# Altium PCB MainPCB_XBeeSXPro_Breakout.PcbDoc (part 2 of 2)
Units mil, origin at the board's own origin, x right, y up, seen from the top; angles counter-clockwise.
Board outline 3100 x 3100 mil, 4 copper layers (Top Layer, Layer 1, Layer 2, Bottom Layer), stack 62.449 mil thick; 102 components, 73 nets, 348 pads, 287 vias.
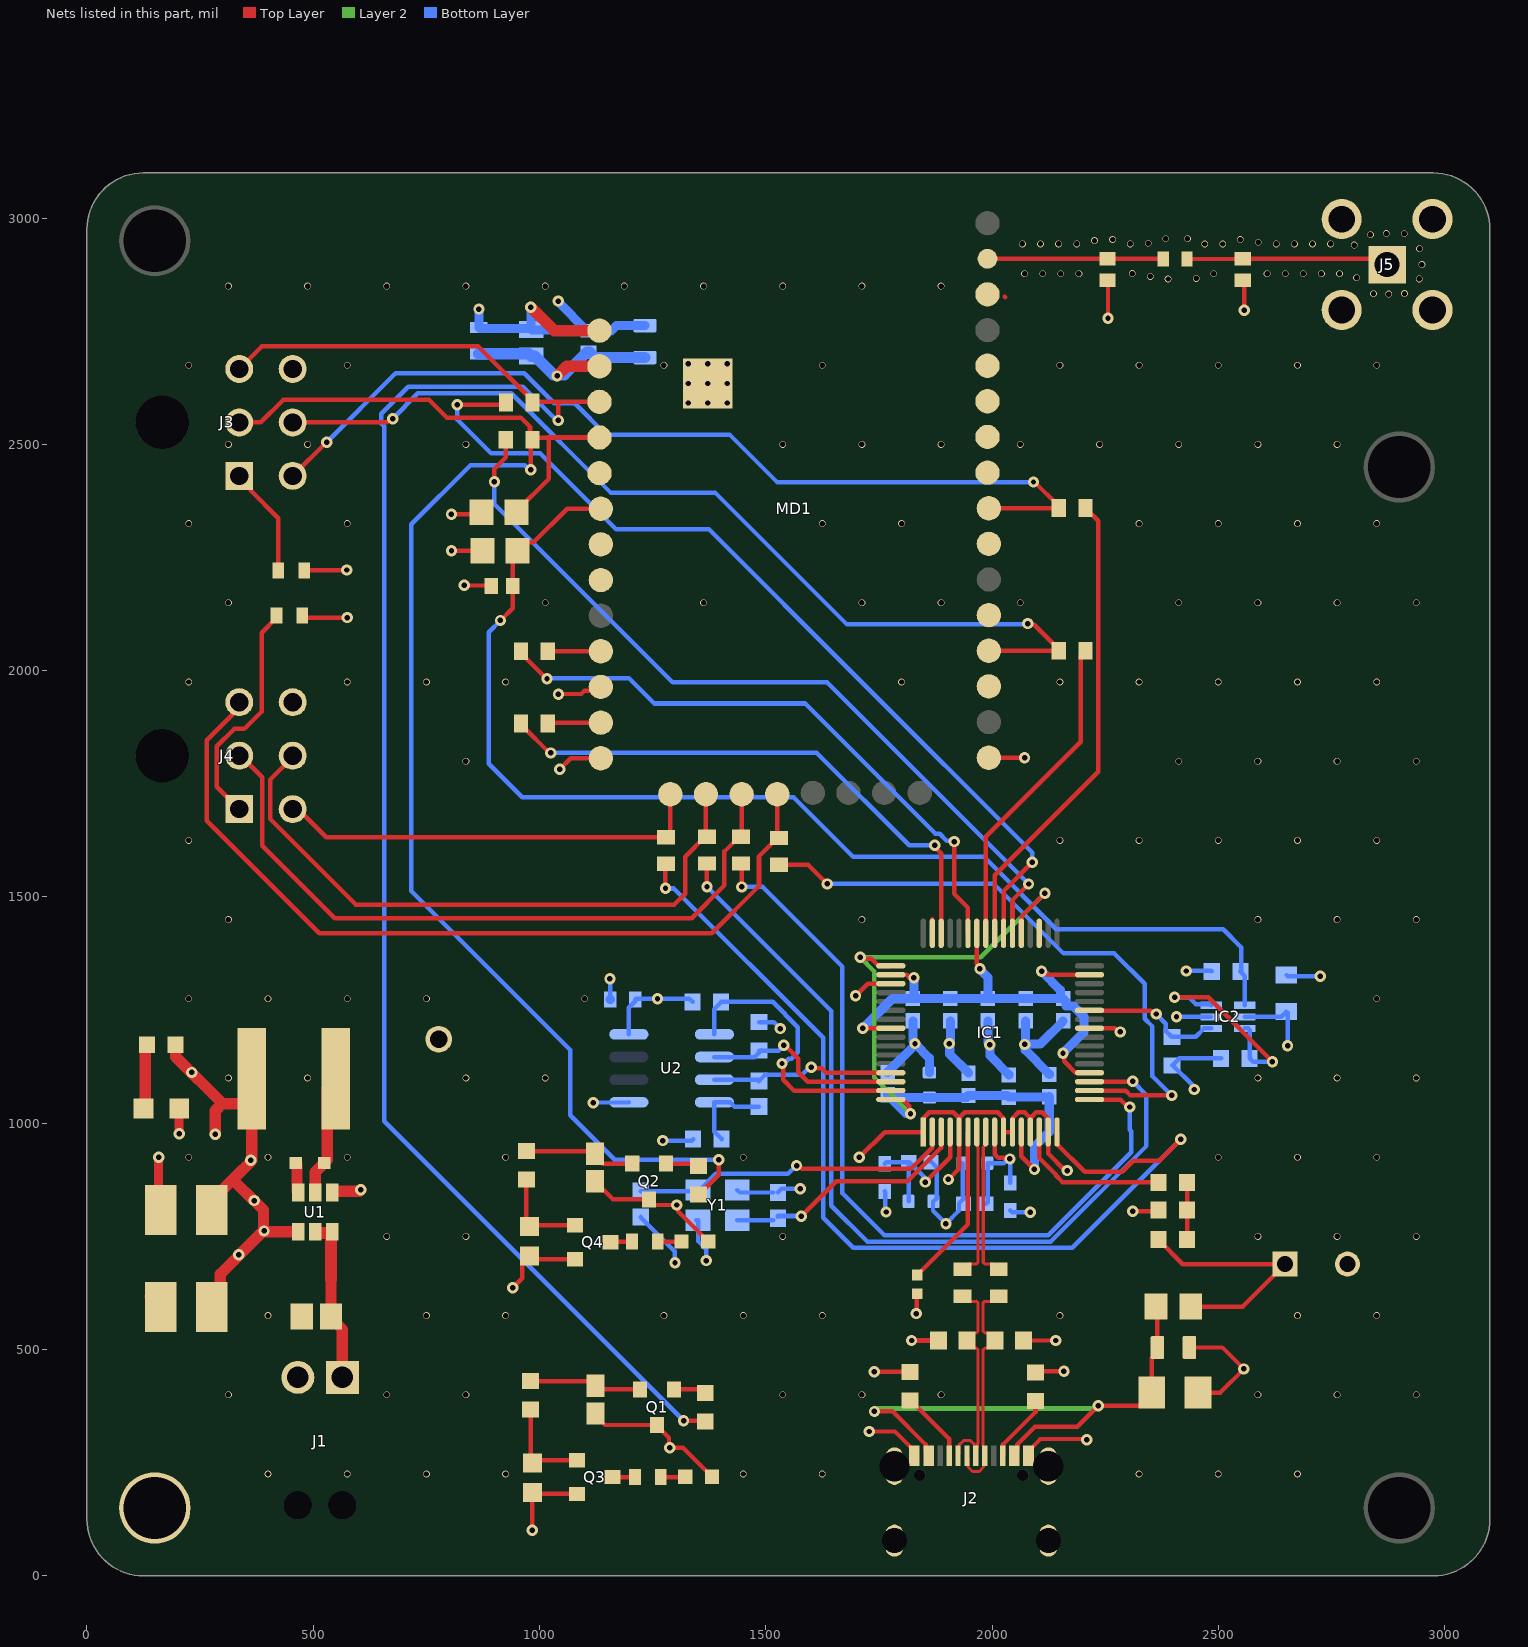
[diagram p4: the nets of this part, all layers, seen from the top]

## Part data (continued)
R17 R18 R22 R23 R24 R25 R26 R27 R28 R29: library part CMP-009-00006-5, "Chip Resistor, 0 Ohm, 0.1 W, -55 to 155 degC, 0603 (1608 Metric)", Case/Package=0603, Max Operating Temperature=155°C, Min Operating Temperature=-55°C, Power=100mW, Tolerance=5%, Voltage Rating=50V, Mounting Technology=SM, Pins=2, RoHS Compliant=True
R35 R37: library part CMP-2000-00700-2, "RES SMD 0 OHM JUMPER 1/10W 0603", Manufacturer=Panasonic, Manufacturer Part Number=ERJ-3GEY0R00V, Package=0603, Power Rating=0.1W, Resistance=0Ω, Temperature="-55°C to +155°C", Temperature Coefficient=-100/+600ppm/°C, Temperature Range High=+155°C, Temperature Range Low=-55°C, Tolerance=5%, Voltage Rating=75V, Automotive=Yes, Automotive Grade="Grade 0", Category=Res, ComponentLink2Description=Datasheet, ComponentLink2URL=https://industrial.panasonic.com/cdbs/www-data/pdf/RDA0000/AOA0000C301.pdf, Composition="Thick Film", Device Class L1="Passive Components", Device Class L2=Resistors, Device Class L3="Chip SMD Resistors", Digikey Description="RES SMD 0 OHM JUMPER 1/10W 0603", Footprint Url=https://industrial.panasonic.com/cdbs/www-data/pdf/RDA0000/DMA0000COL17.pdf, Height=0.55mm, Ipc Land Pattern Name=RESC16080X45, Lead Free=Yes, Mouser Description="Resistor, Chip Thick Film, 0 Ohm, 0.1w, Resistor, Chip Thick Film, 0 Ohm, 0.1w, 5%", Octopart=https://octopart.com/erj-3gey0r00v-panasonic-55389238, RoHS=TRUE, Series=ERJ
R39 R40: library part CMP-26527-004280-1, "330Ω ±5% 0.1W 0603 Thick Film Chip Resistor AEC-Q200 compliant", Case Code (Imperial)=0603, Case Code (Metric)=1608, Max Operating Temperature=155°C, Max Power Dissipation=100mW, Min Operating Temperature=-55°C, Resistor Type="Thick Film", Temperature Coefficient=100ppm/°C, Tolerance=5%, Working Voltage=75V, Case/Package=0603, Construction=Rectangular, Contact Plating=Tin, Depth=0.8mm, Features="Automotive AEC-Q200", Height=0.022inch, Lead Free="Lead Free", Length=1.55mm, Military Standard=Not, Mount="Surface Mount", Number of Terminations=2, Packaging="Tape and Reel", Power Rating=100mW, Radiation Hardening=No, Resistance=330R, RoHS Compliant=Yes, Series=RMCF, Technology="THICK FILM", Width=0.031inch
R45 R46: library part CMP-02407-000782-1, "RES SMD 100 OHM 1% 1/8W 0603", Case Code (Imperial)=0603, Case Code (Metric)=1608, Max Operating Temperature=175°C, Max Power Dissipation=150mW, Min Operating Temperature=-55°C, Package Quantity=1, Power Rating=125mW, Resistance=100kR, Temperature Coefficient=25ppm/°C, Tolerance=0.5%, Voltage Rating=75V, Case/Package=0603, Composition="Thin Film", Depth=0.85mm, Features="Automotive AEC-Q200", Height=0.022inch, Length=0.061inch, Military Standard=Not, Number of Terminations=2, Packaging="Tape and Reel", REACH SVHC="No SVHC", Voltage Rating (DC)=75V, Width=0.033inch
RV1 RV2: library part USB0001DP, "Varistor", Manufacturer_Name="Kyocera AVX", Mouser Part Number=581-USB0001DP, Arrow Part Number=USB0001DP, Arrow Price/Stock=https://www.arrow.com/en/products/usb0001dp/avx?utm_currency=USD&region=nac, Datasheet Link=https://mouser.componentsearchengine.com/Datasheets/1/USB0001DP.pdf, Height=0.9mm, Manufacturer_Part_Number=USB0001DP, Mouser Price/Stock=https://www.mouser.co.uk/ProductDetail/KYOCERA-AVX/USB0001DP?qs=uJhfjP5Xp6wpAsZ0ctZLuw%3D%3D
TP1: library part CMP-002-00037-2, "Test Point, Orange, Height 4.6 mm, Tail Length 3 mm, 1-Pin THD, RoHS", Case/Package=5003, Colour=Orange, Manufacturer=Keystone, Package Description="1-Pin Through Hole Device, Dia 2.54 mm", Package Quantity=10, Connector Type=TestPoint, Contact Material=Bronze, Contact Plating=Tin, Datasheet URL=http://keyelco.com/userAssets/file/M65p56.pdf, Datasheet Version=Jun-15, Diameter=2.54mm, Manufacturer URL=http://www.keyelco.com/, Mounting Technology=TH, Package Reference=5003, Packaging=Bulk, Pins=1, RoHS Compliant=True
U1: library part CMP-12757-000006-1, "IC REG BUCK 3.3V 2A TSOT26", Ambient Temperature Range High=+85°C, Ambient Temperature Range Low=-40°C, Manufacturer="Diodes Inc.", Max Junction Temp=+160°C, Max Supply Voltage=32V, Min Supply Voltage=3.8V, Nominal Supply Current=22uA, Output Current=2A, Output Voltage=3.3V, Package=TSOT26, Switching Frequency=1.1MHz, Temperature="to +160°C", Automotive=No, Category=IC, ComponentLink2Description=Datasheet, ComponentLink2URL=https://www.diodes.com/assets/Datasheets/AP63200-AP63201-AP63203-AP63205.pdf, Device Class L1="Integrated Circuits (ICs)", Device Class L2="Power Management ICs", Device Class L3="Voltage Regulators - Switching", Digikey Description="IC REG BUCK 3.3V 2A TSOT26", Footprint Url=https://www.diodes.com/assets/Package-Files/TSOT26.pdf, Height=1mm, Lead Free=Yes, Manufacturer Part Number=AP63203WU-7, Mouser Description="AP63203 Series 3.3 V 2 A SMT Fixed Low IQ Synchronous Buck - TSOT-26", Number Of Outputs=1, Octopart=https://octopart.com/ap63203wu-7-diodes+inc.-98099550, Output Type=Fixed, RoHS=TRUE, Standoff Height=0.01mm, Switching Topology=Buck, Temperature Range High=+160°C
U2: library part CMP-0162-00090-1, "2K, 128x16-bit, 2.5V Microwire Serial EEPROM, 8-Pin SOIC 150mil, Industrial Temperature, Tape and Reel", Code_IPC=SOIC127P600-8, Code_JEDEC=MS-012, DatasheetVersion="revF, May-2008", PackageDescription="8-Lead Plastic Small Outline (SN) - Narrow, 3.90mm Body [SOIC]", PackageReference=SOIC-SN8, PackageVersion="revBB, Aug-2009"
Y1: library part CMP-27762-015318-1, "Crystal 12MHz ±20ppm (Tol) ±30ppm (Stability) 18pF FUND 120Ω 4-Pin SMD T/R", Case/Package=SMD/SMT, ESR (Equivalent Series Resistance)=120R, Frequency=12MHz, Frequency Stability=30ppm, Frequency Tolerance=20ppm, Load Capacitance=18pF, Max Operating Temperature=85°C, Min Operating Temperature=-40°C, Operating Frequency="12 MHz", Package Quantity=3000, Height=0.039inch, Lead Free="Lead Free", Length=0.126inch, Mount="Surface Mount", Number of Pins=4, Packaging="Tape and Reel", Series=ABM8G, Series Resistance=120R, Termination=SMD/SMT, Tolerance=20ppm, Width=2.5mm

## Via types
v1: diameter 15, hole 12, Top Layer to Bottom Layer, 171 vias
v2: diameter 25, hole 12, Top Layer to Bottom Layer, 107 vias
v3: diameter 23.62, hole 11.81, Top Layer to Bottom Layer, 9 vias

## Nets (pads, with @x,y where several pads share a name; then routed paths per layer and width w, separated by ;. In a path a pad name is that pad's centre, name@x,y a point inside that pad or via, vN(x,y) a via of type N, cw(c..) or ccw(c..) an arc to the next point about the centre after c; other vN are vias at no path point)
CC1: J2.A5 R12.1 | length 159.3
  Top Layer w10: R12.1@1818.74,387.89 1819.73,387.89 1905.15,302.47 J2.A5@1905.15,264.96
CC2: J2.B5 R13.1 | length 151.2
  Top Layer w10: J2.B5@2023.26,264.96 2024.16,265.86 2024.16,290.14 2095.98,361.96 R13.1@2095.98,386.02
EECLK: IC1.62 R20.1 U2.2 | length 454.3
  Top Layer w10: v2@1545.65,1172.47 1545.65,1168.73 1571.75,1142.63 1571.75,1112.44 1592.58,1091.61 IC1.62@1776.48,1091.61
  Bottom Layer w10: U2.2@1386.36,1146.36 1475.48,1146.36 1490.2,1161.08 R20.1@1491.18,1161.08 ; R20.1@1485.49,1160.66 1528.56,1160.66 v2(1539.95,1172.06)
EECS: IC1.63 R21.1 U2.1 | length 657.2
  Top Layer w10: v2(1535.81,1132.12) 1538.5,1129.43 1538.5,1095.93 1562.51,1071.93 IC1.63@1776.48,1071.93
  Bottom Layer w10: U2.1@1386.36,1196.36 1386.36,1252.37 1401.17,1267.18 R21.1@1401.17,1268.16 1515.32,1268.16 1571.03,1212.46 1571.03,1156.77 1557,1142.75 1550.5,1142.75 1539.87,1132.12 v2(1535.81,1132.12)
EEDATA: IC1.61 R16.2 U2.3 | length 409.4
  Top Layer w10: v2(1600.69,1124.1) 1603.56,1121.23 1623.26,1121.23 1633.19,1111.3 IC1.61@1776.48,1111.3
  Bottom Layer w10: U2.3@1386.36,1096.36 1481.69,1096.36 R16.2@1484.71,1093.34 1498.11,1106.75 1579.28,1106.75 1596.63,1124.1 v2(1600.69,1124.1)
FTDI_1V8: C18.2 C19.2 C20.2 C21.2 C22.2 IC1.12 IC1.37 IC1.49 IC1.64 | length 1810.1
  Top Layer w10: v2(1708.41,1366.72) 1711.28,1363.85 1733.57,1363.85 1749.9,1347.52 IC1.49@1776.48,1347.52 ; IC1.64@1776.48,1052.24 1802.8,1052.24 1816.89,1038.15 1816.89,1023.89 v2(1819.76,1021.02) ; IC1.12@2064.86,980.39 2064.86,926.77 v2(2093.61,898.03) ; IC1.37@2064.86,1419.37 2065.21,1419.71 2065.21,1456.78 v2(2116.84,1508.41)
  Layer 2 w10: v2(1819.76,1021.02) 1739.65,1101.14 1739.65,1335.49 v2(1708.41,1366.72) 1975.15,1366.72 v2(2116.84,1508.41)
  Bottom Layer w20: v2(1819.76,1021.02) 1818.81,1021.98 1809.87,1021.98 1769.53,1062.32 C18.2@1769.53,1063.17 1775.9,1056.79 C19.2@1861.72,1056.79 1943.39,1056.79 C20.2@1947.97,1061.37 2033.38,1061.37 C21.2@2037.19,1057.56 2125.37,1057.56 C22.2@2126.41,1058.6 2126.41,981.16 2093.61,948.36 v2(2093.61,898.03)
FTDI_CTS/DIO7: IC1.41 R22.1 | length 715.5
  Top Layer w10: IC1.41@1986.05,1419.68 1986.05,1633.36 2195.68,1842.99 2195.68,2033.19 R22.1@2206.43,2043.94
FTDI_DIN/CFG/DIO14: IC1.38 R28.1 | length 1805
  Top Layer w10: v2(900.44,2417.58) 900.44,2446.33 925.26,2471.16 R28.1@925.26,2510.54 ; IC1.38@2045.18,1419.37 2045.18,1493.23 v2(2080.71,1528.76)
  Bottom Layer w10: v2(900.44,2417.58) 900.44,2367.71 1294.03,1974.12 1635.34,1974.12 v2(2080.71,1528.76)
FTDI_DOUT/DIO13: IC1.39 R26.1 | length 2012
  Top Layer w10: v2(818.17,2587.41) R26.1@925.71,2587.41 ; IC1.39@2025.49,1419.37 2025.49,1513.24 v2(2088.85,1576.59)
  Bottom Layer w10: v2(818.17,2587.41) 818.17,2554.97 893.12,2480.02 1001.61,2480.02 1169.14,2312.48 1374.55,2312.48 1704.68,1982.35 2088.85,1598.18 v2(2088.85,1576.59)
FTDI_DTR/SLP_RQ/DIO8: IC1.43 R24.1 | length 1350.9
  Top Layer w10: R24.1@958.97,2042.87 958.97,2038.93 1015.59,1982.31 v2(1016.61,1982.31) ; v2(1916.54,1622.46) 1916.54,1506.68 1946.75,1476.47 IC1.43@1946.75,1419.37
  Bottom Layer w10: v2(1016.61,1982.31) 1018.15,1983.86 1197.05,1983.86 1253.34,1927.56 1586.96,1927.56 1874.92,1639.61 1884.18,1639.61 1899.49,1624.3 1914.7,1624.3 v2(1916.54,1622.46)
FTDI_R\E\S\E\T\: IC1.27 IC2.1 R30.2 | length 309.8
  Top Layer w10: IC1.27@2215.45,1249.09 2351.03,1249.09 2358.67,1241.45 v2(2362.73,1241.45)
  Bottom Layer w10: v2(2362.73,1241.45) 2384.02,1220.16 2384.02,1203.75 2396.74,1191.04 2449.77,1191.04 2468.19,1209.46 IC2.1@2483.94,1209.46
FTDI_RTS/DIO6: IC1.40 R17.1 | length 1048.9
  Top Layer w10: IC1.40@2005.81,1419.37 2005.81,1547.92 2234.43,1776.54 2234.43,2331.62 2221.11,2344.93 2217.18,2344.93 2206.43,2355.68 R17.1@2206.43,2359.62
FTDI_S\A\T\T\N\: IC1.46 R29.1 | length 1227.4
  Top Layer w10: R29.1@960.8,1883.65 960.8,1879.71 1022.21,1818.31 v2(1024.54,1818.31) ; v2(1873.67,1614.23) 1873.67,1610.17 1887.7,1596.15 IC1.46@1887.7,1419.37
  Bottom Layer w10: v2(1024.54,1818.31) 1612.82,1818.31 1816.9,1614.23 v2(1873.67,1614.23)
FTDI_S\S\E\L\/DIO17: IC1.19 R25.1 | length 1937.7
  Top Layer w10: R25.1@1369.8,1574.08 1370.06,1573.82 v2(1370.06,1522.74) ; IC1.19@2215.45,1091.61 2215.8,1091.96 2309.88,1091.96 v2(2310.55,1092.63)
  Bottom Layer w10: v2(1370.06,1522.74) 1644.71,1248.09 1644.71,817.96 1723.98,738.69 2129.96,738.69 2341.13,949.86 2341.13,1062.05 v2(2310.55,1092.63)
FTDI_SCLK/DIO18: IC1.16 R27.1 | length 2209
  Top Layer w10: v2(1278.36,1519.17) 1278.36,1571.75 R27.1@1279.78,1573.17 ; IC1.16@2143.6,980.39 2143.6,953.81 2204.74,892.68 2287.35,892.68 2311.65,916.98 2369.45,916.98 v2(2416.84,964.37)
  Bottom Layer w10: v2(1278.36,1519.17) 1278.78,1518.75 1296.84,1518.75 1627.01,1188.59 1627.01,791.21 1693.46,724.76 2177.22,724.76 v2(2416.84,964.37)
FTDI_SMISO/DIO15: IC1.18 R18.1 | length 1374.1
  Top Layer w10: R18.1@1529.39,1571.38 1593.34,1571.38 v2(1635.94,1528.78) ; IC1.18@2215.45,1071.93 2295.36,1071.93 2305.78,1061.51 v2(2396.93,1061.51)
  Bottom Layer w10: v2(1635.94,1528.78) 2004.4,1528.78 2157.92,1375.26 2270.23,1375.26 2337.36,1308.14 2337.36,1230.94 2354.39,1213.91 2354.39,1104.05 v2(2396.93,1061.51)
FTDI_SMOSI/DIO16: IC1.17 R23.1 | length 1797.9
  Top Layer w10: R23.1@1445.32,1574.2 1447.16,1572.36 v2(1447.16,1522.17) ; IC1.17@2215.45,1052.24 2283.9,1052.24 2300.23,1035.92 v2(2304.28,1035.92)
  Bottom Layer w10: v2(1447.16,1522.17) 1493.3,1522.17 1669.1,1346.36 1669.1,845.75 1762.23,752.63 2124.19,752.63 2307.39,935.83 2307.39,982.29 2304.28,985.4 v2(2304.28,1035.92)
FTDI_USB_N: IC1.7 R10.2 | length 329.6
  Top Layer w6.65: R10.2@1934.56,677.13 1946,688.57 1964.99,688.57 1968.88,692.47 1968.88,886.4 1968.88,947.72 1967.42,949.18 1967.42,979.4 IC1.7@1966.44,980.39
FTDI_USB_P: IC1.8 R9.2 | length 330.9
  Top Layer w6.65: IC1.8@1986.12,980.39 1986.12,952.42 1980.54,946.83 1980.54,881.58 1980.54,692.47 1984.43,688.57 2003.42,688.57 R9.2@2014.86,677.13
FTDI_VSENSE: IC1.14 R14.1 | length 344.6
  Top Layer w10: IC1.14@2104.23,980.39 2104.23,923.29 2140.7,886.82 2140.7,884.94 2155.57,870.08 2367.44,870.08 R14.1@2368.26,869.26
GND: C1.2 C2.2 C3.2 C4.2 C5.1 C6.1 C7.2 C9.2 C10.2 C11.2 C12.2 C13.2 C14.2 C15.2 C16.1 C17.1 C18.1 C19.1 C20.1 C21.1 C22.1 C23.1 C24.1 C25.1 C26.1 C27.1 C28.1 C29.1 C30.1 C31.1 C32.2 C33.2 D1.1 DS1.2 DS2.2 IC1.1 IC1.5 IC1.10 IC1.11 IC1.13 IC1.15 IC1.25 IC1.35 IC1.47 IC1.51 IC2.2 J1.2 J2.1 J2.2 J2.3 J2.4 J2.A1-B12 J2.B1-A12 J3.6 J4.6 J5.2 J5.3 J5.4 J5.5 M4.1 MD1.1 MD1.11 MD1.13 MD1.22 MD1.35 MD1.38 Q1.3 Q2.3 R7.2 R8.2 R12.2 R13.2 R15.2 RV1.1 RV2.1 U1.4 U2.5 Y1.2 Y1.4 | length 5902.2
  Top Layer w9.47: C11.2@158.6,813.13 C11.2@163.28,808.45 ; D1.1@203.67,1032.6 D1.1@203.77,1032.7 ; v2(833.87,2188.5) 891.79,2188.5 C7.2@893.61,2186.68 ; v2(1041.81,1948.14) 1042.09,1948.42 1091.95,1948.42 1099.18,1955.64 1127.07,1955.64 MD1.11@1135.56,1964.13 ; v2(1044.5,1782) 1069.14,1806.65 MD1.13@1135.56,1806.65 ; C33.2@1122.19,871.88 1122.19,867.05 1137.38,851.86 1142.22,851.86 1162.1,831.97 Q2.3@1242.23,831.97 1242.23,830.36 1253.24,819.34 v2(1303.23,819.34) 1306.2,816.37 1306.2,805.45 DS2.2@1372.78,738.87 ; C32.2@1123.89,358.68 1123.89,353.85 1144.52,333.22 Q1.3@1259.71,333.22 ; Q1.3@1259.71,331.25 1285.94,305.02 1285.94,284.61 v2(1287.49,283.06) 1317.02,283.06 DS1.2@1381.07,219.01 ; v2(1728.43,318.85) 1785.31,318.85 1828.37,275.78 J2.A1-B12@1828.37,264.96 ; MD1.22@1992.9,1807.83 v2(2071.88,1807.83) ; 2027.64,2826.93 2029.12,2825.45 ; RV2.1@2069.27,520 v2(2140.68,520) ; J2.B1-A12@2080.34,264.96 2080.34,275.78 2106.73,302.17 2207.66,302.17 v2(2209.38,300.46) ; R13.2@2095.98,449.01 2098.89,451.92 v2(2158.89,451.92) ; v2(2256.26,2778.81) C5.1@2256.26,2866.73 ; v2(2310.63,805.27) 2365.48,805.27 R15.2@2368.26,808.05 ; C12.2@2435.89,504.73 2508.88,504.73 v2(2556.5,457.11) 2503.99,404.6 R7.2@2455.22,404.6 ; v2(2557.15,2796.23) 2557.15,2858.69 C6.1@2558.11,2859.66
  Top Layer w10: v2(1698.42,1281.42) 1699.02,1281.42 1725.54,1307.93 1776.26,1307.93 IC1.51@1776.48,1308.15 ; v2(1706.88,924.59) 1762.68,980.39 1848.33,980.39 1849.16,981.22 1849.16,1012.07 1851.13,1014.04 1851.13,1014.24 1860.98,1024.08 1914.27,1024.08 1917.27,1021.09 1924.12,1014.24 1924.12,1014 IC1.5@1926.72,1011.4 ; v2(1739.96,451.2) 1818.42,451.2 R12.2@1818.74,450.88 ; v2(1822.14,520) RV1.1@1881.26,520 ; v2(1832.78,579.46) 1833.65,580.32 1833.65,622.43 R8.2@1834.51,623.29 ; IC1.47@1867.67,1450.38 1867.67,1419.71 IC1.47@1868.01,1419.37 ; v2(1903.63,875.84) 1927.07,899.27 1927.07,980.39 1927.41,980.74 1927.41,1011.4 1929.87,1013.86 1929.87,1014.24 1939.72,1024.08 2012.7,1024.08 2025.07,1011.71 2025.07,980.81 2025.49,980.39 2045.18,980.39 2045.45,980.66 2045.45,1011.71 2057.83,1024.08 2071.75,1024.08 2081.6,1014.24 2081.6,1014 IC1.13@2084.2,1011.4 ; IC1.13@2084.55,980.39 2084.89,980.74 2084.89,1011.4 2087.35,1013.86 2087.35,1014.24 2097.2,1024.08 2111.12,1024.08 2123.5,1011.71 2123.5,980.81 2123.92,980.39 2123.92,933.08 2158.67,898.32 2163.21,898.32 v2(2166.08,895.45) ; IC1.35@2104.23,1419.37 2104.51,1419.64 2104.51,1447.88 IC1.35@2104.58,1447.95 ; IC1.25@2215.45,1209.72 2271.5,1209.72 2279.4,1201.82 v2(2283.46,1201.82)
  Top Layer w20: C11.2@158.6,813.13 v2(158.6,925.23) ; v2(203.67,977.03) D1.1@203.67,1032.6
  Top Layer w25: C10.2@139.4,617.33 C10.2@163.28,593.45 C10.2@163.28,572.72 ; C9.2@465.98,565.04 C9.2@474.38,573.45 ; U1.4@541.8,846.73 544.83,849.76 602.14,849.76 v2(605.17,852.78) ; v2(980.79,2803.21) 1032.46,2751.53 MD1.1@1132.55,2751.53
  Bottom Layer w9.47: v2(1118.58,1045.46) 1119.03,1045.91 1196.94,1045.91 U2.5@1197.39,1046.36 ; Y1.2@1436.91,852.61 1442.29,847.23 C14.2@1516.35,847.23 ; C14.2@1526.96,847.39 1534.71,855.14 v2(1575.95,855.14) ; C25.1@1865.29,914.2 1866.14,914.2 1877.39,902.95 1877.39,897.63 1877.63,897.4 1877.63,834.23 C26.1@1870.61,827.22 ; C26.1@1869.33,827.22 1869.33,806.74 v2(1898.07,778) 1926.96,806.89 1926.96,823.24 1938.21,834.49 1939.06,834.49 1935.02,838.53 C24.1@1935.02,911.86 ; v2(2407.53,1235.54) 2407.77,1235.3 2483.7,1235.3 IC2.2@2483.94,1235.05 ; C17.1@2650.51,1327.54 2652.96,1325.08 v2(2725.51,1325.08)
  Bottom Layer w10: C16.1@1156.04,1273.61 v2@1156.04,1318.67 ; C15.2@1223.64,792.85 1223.64,791.93 1298.42,717.15 1298.42,692.61 v2(1299.38,691.65) ; Y1.4@1346.36,785.68 Y1.4@1350.3,785.68 1350.3,739.69 1368.63,721.36 v2(1368.63,696.55)
  Bottom Layer w20: v2(866.16,2799.17) 866.12,2799.13 C1.2@866.09,2758.61 C1.2@866.09,2758.61 868.29,2756.4 979.49,2756.4 C2.2@981.73,2754.16 ; v2(980.79,2803.21) 981.26,2802.74 981.26,2754.63 C2.2@981.73,2754.16 ; v2(1041.1,2816.77) 1042.06,2815.81 1042.06,2813.88 1104.84,2751.1 C3.2@1107.79,2751.1 ; v2(1155.68,1319.03) v2@1156.04,1318.67 ; C16.1@1156.04,1273.61 C16.1@1156.41,1273.24 ; C4.2@1232.91,2762.52 1169.74,2762.52 1158.33,2751.1 C3.2@1107.79,2751.1 ; C18.1@1769.53,1112.42 1769.53,1113.27 1828.83,1172.57 1828.83,1175.12 v2(1829.79,1176.08) ; C27.1@1825.08,1226.4 1825.08,1182.14 1829.79,1177.43 v2(1829.79,1176.08) ; C19.1@1861.72,1111.91 1861.72,1144.15 v2(1829.79,1176.08) ; C28.1@1908.04,1226.4 1908.04,1179.88 1905.6,1177.43 v2(1905.6,1176.08) 1906.55,1175.12 1906.55,1152.88 1947.97,1111.47 C20.1@1947.97,1110.62 ; C29.1@1991,1226.4 1991,1178.78 1994.61,1175.17 v2(1994.61,1173.82) 1995.57,1172.86 1995.57,1149.28 2037.19,1107.66 C21.1@2037.19,1106.82 ; C30.1@2073.96,1226.4 2073.96,1177.58 2071.93,1175.55 v2(2071.93,1174.19) ; C22.1@2126.41,1107.86 2126.41,1108.7 2072.89,1162.23 2072.89,1173.24 v2(2071.93,1174.19) ; C31.1@2156.92,1226.4 2156.92,1225.55 2106.52,1175.15 2072.89,1175.15 v2(2071.93,1174.19) ; C2.2@981.73,2754.16 983.26,2752.63 1106.26,2752.63 C3.2@1107.79,2751.1
  other v1: 400,225 575,225 750,225 925,225 1450,225 1625,225 2325,225 2500,225 2675,225 312.5,400 662.5,400 837.5,400 1537.5,400 1712.5,400 1887.5,400 2587.5,400 2762.5,400 2937.5,400 400,575 750,575 925,575 1275,575 1450,575 1625,575 2150,575 2675,575 2850,575 662.5,750 837.5,750 1537.5,750 2587.5,750 2762.5,750 2937.5,750 225,925 400,925 575,925 925,925 1450,925 2500,925 2675,925 2850,925 312.5,1100 487.5,1100 837.5,1100 1012.5,1100 2587.5,1100 2762.5,1100 2937.5,1100 225,1275 400,1275 575,1275 750,1275 1100,1275 2850,1275 312.5,1450 1712.5,1450 2587.5,1450 2762.5,1450 2937.5,1450 225,1625 2150,1625 2325,1625 2500,1625 2675,1625 2850,1625 837.5,1800 2412.5,1800 2587.5,1800 2762.5,1800 2937.5,1800 225,1975 575,1975 750,1975 925,1975 1800,1975 2150,1975 2325,1975 2500,1975 2675,1975 2850,1975 312.5,2150 1012.5,2150 1362.5,2150 1712.5,2150 1887.5,2150 2062.5,2150 2412.5,2150 2587.5,2150 2762.5,2150 2937.5,2150 225,2325 575,2325 1625,2325 1800,2325 2325,2325 2500,2325 2675,2325 2850,2325 312.5,2500 487.5,2500 837.5,2500 1537.5,2500 1712.5,2500 1887.5,2500 2062.5,2500 2237.5,2500 2412.5,2500 2587.5,2500 2762.5,2500 225,2675 575,2675 1275,2675 1625,2675 2150,2675 2325,2675 2500,2675 2675,2675 2850,2675 2876.46,2832.28 2842.82,2832.76 2911.32,2833.25 312.5,2850 487.5,2850 662.5,2850 837.5,2850 1012.5,2850 1187.5,2850 1362.5,2850 1537.5,2850 1712.5,2850 1887.5,2850 2388.94,2865.5 2944,2865.68 2451.07,2866.92 2805.54,2868.1 2349.36,2871.33 2071.99,2877.33 2111.99,2877.33 2151.99,2877.33 2191.99,2877.33 2309.84,2877.46 2489.76,2877.11 2607.68,2877.35 2647.68,2877.35 2687.68,2877.35 2727.68,2877.35 2767.68,2877.35 2949.76,2897.49 2944.73,2932.25 2800.21,2940.48 2067.12,2943.06 2107.12,2943.06 2147.12,2943.06 2187.12,2943.06 2305.18,2943.19 2469.87,2942.83 2509.87,2942.83 2628.03,2943.07 2668.03,2943.07 2708.03,2943.07 2748.03,2943.07 2345.15,2944.73 2588.22,2946.96 2226.43,2950.48 2266.36,2952.83 2548.63,2952.71 2383.95,2954.44 2431.59,2954.44 2836.04,2963.24 2870.9,2965.9 2910.84,2965.66
  other v3: 1328.47,2591.69 1371.58,2591.69 1414.69,2591.69 1328.47,2634.8 1371.58,2634.8 1414.69,2634.8 1328.47,2677.91 1371.58,2677.91 1414.69,2677.91
NetC5_2: C5.2 L1.1 MD1.36 | length 388.4
  Top Layer w9.47: MD1.36@1989.89,2910.19 C5.2@2254.56,2910.19 ; C5.2@2254.69,2910.32 2377.93,2910.32 L1.1@2378.28,2909.97
NetC8_1: C8.1 L2.1 U1.5 | length 270.4
  Top Layer w25: U1.5@504.4,846.73 504.4,892.47 531,919.06 531,1080 L2.1@549.44,1098.45
NetC8_2: C8.2 U1.6 | length 67.9
  Top Layer w25: C8.2@461.11,912.17 464.05,909.22 464.05,849.68 U1.6@467,846.73
NetC13_1: C13.1 L3.2 R11.2 | length 549.3
  Top Layer w10: R11.2@2368.26,742.88 2368.26,741.89 2421.4,688.76 C13.1@2647.42,688.76 2553.51,594.84 L3.2@2439.14,594.84
NetC32_1: C32.1 Q1.2 R43.1 | length 249.6
  Top Layer w10: R43.1@980.35,430.31 1113.46,430.31 C32.1@1123.89,419.88 1131.81,411.96 Q1.2@1222.3,411.96
NetC33_1: C33.1 Q2.2 R44.1 | length 247.9
  Top Layer w10: R44.1@971.17,938.21 1117.06,938.21 C33.1@1122.19,933.08 1122.19,928.24 1139.72,910.71 Q2.2@1204.83,910.71
NetD1_2: D1.2 R38.1 | length 144
  Top Layer w25: D1.2@125.03,1032.7 128.97,1036.64 128.97,1169.51 R38.1@132.91,1173.45
NetDS1_1: DS1.1 R39.2 | length 54.2
  Top Layer w10: R39.2@1268.18,218.23 1321.24,218.23 DS1.1@1322.01,219.01
NetDS2_1: DS2.1 R40.2 | length 52.4
  Top Layer w10: R40.2@1261.56,738.33 1313.19,738.33 DS2.1@1313.73,738.87
NetIC1_6: IC1.6 R8.1 | length 362.3
  Top Layer w10: R8.1@1834.51,664.63 1946.75,776.88 IC1.6@1946.75,980.39
NetIC2_3: IC2.3 IC2.6 R31.2 | length 491.4
  Top Layer w10: v2(2403.31,1278.34) 2477.37,1278.34 v2(2619.59,1136.12)
  Bottom Layer w10: v2(2403.31,1278.34) 2435.53,1278.34 2450.6,1263.28 2481.3,1263.28 IC2.3@2483.94,1260.64 ; IC2.6@2558.75,1209.46 2566.48,1209.46 2569.36,1206.59 R31.2@2569.36,1143.42 2576.66,1136.12 v2(2619.59,1136.12)
NetJ3_1: J3.1 R35.2 | length 244.5
  Top Layer w10: J3.1@336.53,2430.53 362.43,2404.63 362.43,2397.87 423.04,2337.26 R35.2@423.04,2221.87
NetJ4_1: J4.1 R37.2 | length 515.9
  Top Layer w10: J4.1@336.53,1694.12 286.84,1743.81 286.84,1832.81 325.32,1871.29 347.74,1871.29 386.21,1909.76 386.21,2084.13 418.79,2116.71 R37.2@418.79,2121.63
NetQ1_1: Q1.1 R41.2 | length 72.4
  Top Layer w10: Q1.1@1297.11,411.96 1358.31,411.96 R41.2@1366.2,404.07
NetQ2_1: Q2.1 R42.2 | length 74
  Top Layer w10: Q2.1@1279.63,910.71 1345.68,910.71 R42.2@1351.27,905.12
NetQ3_1: Q3.1 R43.2 R45.2 | length 220.6
  Top Layer w10: R43.2@980.35,367.31 980.35,253.44 R45.2@984.21,249.59 990.26,255.64 Q3.1@1082.97,255.64
NetQ3_3: Q3.3 R39.1 | length 49.4
  Top Layer w10: Q3.3@1161.71,218.23 R39.1@1211.09,218.23
NetQ4_1: Q4.1 R44.2 R46.2 | length 208.3
  Top Layer w10: R44.2@971.17,875.22 971.17,777.91 R46.2@977.43,771.64 980.27,774.49 Q4.1@1078.35,774.49
NetQ4_3: Q4.3 R40.1 | length 47.9
  Top Layer w10: Q4.3@1157.09,737.08 1158.33,738.33 R40.1@1204.47,738.33
NetR11_1: R11.1 R14.2 R15.1 | length 126.4
  Top Layer w10: R11.1@2431.25,742.88 R15.1@2431.25,808.05 R14.2@2431.25,869.26
NetR16_1: R16.1 R19.1 U2.4 | length 190.3
  Bottom Layer w10: R19.1@1402.23,964.81 1402.23,965.79 1386.36,981.65 U2.4@1386.36,1046.36 1421.55,1046.36 1430.9,1037.01 R16.1@1484.71,1037.01
OSCI: C15.1 IC1.2 Y1.1 | length 724.4
  Top Layer w10: v2(1568.03,906.55) 1572.09,906.55 1579.43,899.21 1820.96,899.21 1867.67,945.92 1867.67,980.04 IC1.2@1868.01,980.39
  Bottom Layer w10: C15.1@1223.64,850.07 1347.76,850.07 Y1.1@1350.3,852.61 1354.24,852.61 1389.79,888.15 1548.94,888.15 1567.33,906.55 v2(1568.03,906.55)
OSCO: C14.1 IC1.3 Y1.3 | length 590.7
  Top Layer w10: v2(1578.54,794.55) 1655.65,871.66 1813.12,871.66 1887.35,945.89 1887.35,980.04 IC1.3@1887.7,980.39
  Bottom Layer w10: Y1.3@1436.91,785.68 C14.1@1516.32,785.68 ; C14.1@1526.96,793.62 1527.89,794.55 v2(1578.54,794.55) ; C14.1@1526.96,795.07 v2@1580.16,795.07
PWR_+5V: C9.1 J1.1 U1.2 U1.3 | length 366.9
  Top Layer w25: 539.4,653.79 C9.1@539.4,573.45 539.4,569.48 564.4,544.48 J1.1@564.4,438.45
  Top Layer w27: U1.2@504.4,760.16 504.4,758.04 504.68,757.76 539.4,757.76 539.4,653.79
R\E\S\E\T\: C7.1 IC2.4 MD1.6 R32.2 R33.1 | length 2678.4
  Top Layer w10: v2(913.67,2111.03) 940.85,2138.22 940.85,2254.82 945.96,2259.93 R33.1@945.96,2261.9 ; R33.1@951.06,2265.03 969.69,2283.66 986.78,2283.66 1060.95,2357.83 MD1.6@1135.56,2357.83
  Bottom Layer w10: v2(913.67,2111.03) 887.85,2085.21 887.85,1794.23 961.73,1720.34 1561.36,1720.34 1692.84,1588.86 1982.14,1588.86 2142.21,1428.79 2510.64,1428.79 2550.23,1389.2 2550.23,1337.32 R32.2@2548.48,1335.58 2558.75,1325.32 IC2.4@2558.75,1260.64
RF_PAD_OUT: C6.2 J5.1 L1.2 | length 447.8
  Top Layer w9.47: L1.2@2430.45,2909.97 2553.74,2909.97 C6.2@2553.98,2910.21 2860.2,2910.21 J5.1@2872.92,2897.49
USB_D_N: J2.A7 J2.B7 R10.1 RV1.2 | length 500.3
  Top Layer w6.65: J2.B7@1924.83,264.96 1927.41,267.54 1927.41,289.45 1937.16,299.2 1951.88,299.2 1961.62,289.45 1961.62,281.69 1961.62,267.54 J2.A7@1964.2,264.96 1964.2,267.54 1964.2,281.69 1968.22,285.71 1968.22,291.94 1968.75,291.94 1968.75,394.46 1968.75,499.74 1964.85,503.64 1959.63,503.64 1944.25,519.01 RV1.2@1944.25,520 ; R10.1@1934.56,618.08 1946,606.64 1965.78,606.64 ; RV1.2@1944.25,520.98 1959.63,536.36 1964.83,536.36 1968.73,540.25 1968.73,551.19 1968.73,603.69 1965.47,606.95
USB_D_P: J2.A6 J2.B6 R9.1 RV2.2 | length 503.1
  Top Layer w6.65: J2.A6@1944.52,264.96 1947.1,262.38 1947.1,240.46 1956.97,230.59 1971.43,230.59 1981.31,240.46 1981.31,262.38 J2.B6@1983.89,264.96 1981.31,267.54 1981.31,287.26 1980.4,288.17 1980.4,389.64 1980.4,499.74 1984.3,503.64 1990.9,503.64 2006.28,519.01 2006.28,520.98 1990.9,536.36 1984.28,536.36 1980.38,540.25 1980.38,556.02 1980.38,603.38 1983.64,606.64 2003.42,606.64 R9.1@2014.86,618.08
USB_VBUS: C12.1 J2.A4-B9 J2.B4-A9 L3.1 R7.1 | length 1242.9
  Top Layer w10: v2(1740.07,363.26) 1779.95,363.26 1853.06,290.14 1853.06,271.77 J2.A4-B9@1859.87,264.96 ; J2.B4-A9@2048.85,264.96 2055.66,271.77 2055.66,290.14 2094.82,329.3 2188.03,329.3 v2(2234.84,376.12) 2328.33,376.12 2352.85,400.64 R7.1@2352.85,404.6 2352.85,481.54 2365.41,494.1 C12.1@2365.41,504.73 2365.41,591.99 L3.1@2362.56,594.84
  Layer 2 w10: v2(1740.07,363.26) 1746.5,369.69 2228.41,369.69 v2(2234.84,376.12)
VCC_3v3: C1.1 C2.1 C3.1 C4.1 C10.1 C11.1 C16.2 C17.2 C27.2 C28.2 C29.2 C30.2 C31.2 IC1.20 IC1.31 IC1.42 IC1.50 IC1.56 IC2.5 L2.2 L4.1 L5.1 MD1.2 Q3.2 Q4.2 R4.2 R19.2 R20.2 R21.2 R30.1 R31.1 R32.1 R33.2 R35.1 R37.1 R38.2 R45.1 R46.1 TP1.1 U1.1 U2.8 | length 4445.6
  Top Layer w10: L2.2@364.4,1098.45 L2.2@364.4,1179.16 ; R37.1@475.88,2121.63 480.05,2117.46 v2(575.35,2117.46) ; R35.1@480.13,2221.87 573.13,2221.87 v2(573.87,2222.6) ; v2(805.45,2345.48) 867.41,2345.48 R4.2@872.03,2350.11 ; v2(805.55,2265.03) R33.2@874.29,2265.03 ; v2(940.67,636.78) 961.53,657.63 961.53,690.43 R46.1@977.43,706.34 984.09,699.68 Q4.2@1078.35,699.68 ; v2(984.21,100.94) R45.1@984.21,184.28 987.66,180.83 Q3.2@1082.97,180.83 ; v2(1714.27,1209.94) 1714.38,1209.83 1776.37,1209.83 IC1.56@1776.48,1209.72 ; IC1.50@1776.96,1328.32 1777.49,1327.79 1811.55,1327.79 1821.87,1317.47 1823.03,1317.47 v2(1827.35,1321.79) ; IC1.42@1966.44,1419.37 1966.44,1352.2 1973.23,1345.41 v2(1973.23,1341.35) ; v2(2109.45,1335.7) 2113.51,1335.7 2121.38,1327.83 IC1.31@2215.45,1327.83 ; v2(2156.71,1155.05) 2159.58,1152.18 2159.58,1136.75 2184.37,1111.95 2215.49,1111.95 IC1.20@2215.8,1111.64
  Top Layer w20: L2.2@364.4,1179.16 L2.2@379.4,1194.16
  Top Layer w25: R38.2@195.9,1173.45 195.9,1146.95 299.4,1043.45 ; C10.1@275.52,593.45 294.72,612.65 294.72,667.03 387.85,760.16 U1.1@467,760.16 ; C11.1@275.52,808.45 275.52,829.17 327.1,880.75 ; v2(283.56,975.87) 283.56,1027.61 299.4,1043.45 ; v2@390.18,769.02 390.18,808.4 v2(369.4,829.17) 368.43,829.17 327.1,870.51 327.1,880.75 ; v2(1038.86,2651.42) 1060.24,2672.79 MD1.2@1132.55,2672.79 ; 299.4,1043.45 342.91,1043.45 364.4,1064.94 364.4,918.05 327.1,880.75
  Bottom Layer w10: U2.8@1197.39,1196.36 1197.39,1255.16 1211.53,1269.3 C16.2@1211.53,1273.24 1213.39,1275.1 v2(1260.67,1275.1) 1331.25,1275.1 R21.2@1338.18,1268.16 ; v2(1272.61,961.73) 1336.16,961.73 R19.2@1339.24,964.81 ; R20.2@1485.49,1223.65 1517.84,1223.65 v2(1532.19,1209.3) ; L5.1@1762.71,849.49 1764.23,847.98 1764.23,805.37 v2(1765.74,803.85) ; L4.1@2040.32,807.24 2044.51,803.04 v2(2084.09,803.04) ; R30.1@2397.72,1128.04 R30.1@2398.71,1128.04 ; v2(2429.19,1336.5) 2484.57,1336.5 R32.1@2485.49,1335.58 ; v2(2447.07,1074.62) 2444.2,1077.49 2444.2,1082.55 R30.1@2398.71,1128.04 ; R31.1@2506.37,1143.42 2414.08,1143.42 R30.1@2398.71,1128.04 ; IC2.5@2558.75,1235.05 2638.73,1235.05 C17.2@2650.51,1246.83 2652.96,1244.38 v2(2652.96,1171.02)
  Bottom Layer w20: v2(1714.27,1209.94) 1779.99,1275.65 C27.2@1825.08,1275.65 ; v2(1827.35,1321.79) 1827.35,1277.92 C27.2@1825.08,1275.65 ; v2(1973.23,1341.35) 1973.23,1339.99 1990.74,1322.48 1990.74,1275.91 C29.2@1991,1275.65 ; v2(2109.45,1335.7) 2150.93,1294.21 2150.93,1280.79 C31.2@2156.07,1275.65 ; v2(2156.71,1155.05) 2202.79,1201.13 2202.79,1235.85 2179.5,1259.14 2162.91,1259.14 2162.91,1268.81 C31.2@2156.07,1275.65 ; C31.2@2156.92,1275.65 C31.2@2156.07,1275.65 ; C27.2@1825.08,1275.65 C28.2@1908.04,1275.65 C29.2@1991,1275.65 ; C29.2@1991,1275.65 C30.2@2073.96,1275.65 C31.2@2156.07,1275.65
  Bottom Layer w25: C1.1@866.09,2700.34 976.5,2700.34 C2.1@981.73,2695.11 989.6,2695.11 1030.42,2654.29 1035.99,2654.29 v2(1038.86,2651.42) 1041.73,2654.29 1055.27,2654.29 1104.84,2703.86 C3.1@1107.79,2703.86 1110.75,2703.86 1122.56,2692.05 C4.1@1232.91,2692.05
  other v2: 335.65,709.48 391.32,762.02 361.75,918.25 231.34,1112.37
VPHY: C25.2 C26.2 IC1.4 L5.2 | length 334.8
  Top Layer w10: v2(1852.52,870.09) 1907.38,924.95 IC1.4@1907.38,980.39
  Bottom Layer w10: L5.2@1762.71,910.52 1766.4,914.2 C25.2@1816.04,914.2 ; C26.2@1815.5,827.22 1815.5,913.65 C25.2@1816.04,914.2 ; v2(1852.52,870.09) 1849.65,872.96 1849.65,881.45 1816.89,914.2 C25.2@1816.04,914.2
VPLL: C23.2 C24.2 IC1.9 L4.2 | length 285.5
  Top Layer w10: IC1.9@2005.74,980.7 2005.74,931.46 2013.18,924.01 2036.59,924.01 v2(2039.46,921.14)
  Bottom Layer w10: C23.2@1986,821.77 1990.13,825.91 1990.13,911.86 2026.12,911.86 2035.4,921.14 v2(2039.46,921.14) 2039.89,920.72 2039.89,868.69 L4.2@2040.32,868.26
"XBX DIO7/C\T\S\": J3.5 MD1.25 R22.2 | length 2109.9
  Top Layer w10: J3.5@454.64,2548.64 663.03,2548.64 671.38,2556.99 v2(675.44,2556.99) ; MD1.25@1992.9,2044.05 2139.11,2044.05 2147.26,2044.05 R22.2@2147.37,2043.94 ; v2(2078.91,2104.14) 2081.78,2101.27 2093.49,2101.27 2136.13,2058.62 2136.63,2058.62 2139.11,2056.14 R22.2@2139.11,2043.94
  Bottom Layer w10: v2(675.44,2556.99) 731.23,2612.78 937.86,2612.78 1157.86,2392.78 1388.86,2392.78 1679.45,2102.19 2076.97,2102.19 v2(2078.91,2104.14)
"XBX DIO13/DOUT": J3.3 MD1.3 R26.2 R41.1 | length 3910.2
  Top Layer w10: J3.3@336.53,2666.75 386.21,2716.44 864.63,2716.44 984.76,2596.31 R26.2@984.76,2592.37 986.44,2594.05 1043.59,2594.05 ; v2(1041.08,2552.97) 1041.08,2591.54 1043.59,2594.05 ; MD1.3@1132.55,2594.05 1043.59,2594.05 ; v2(1318.39,342.38) 1364.89,342.38 R41.1@1366.2,341.08
  Bottom Layer w10: v2(1041.08,2552.97) 1037.81,2552.97 963.27,2627.51 710.07,2627.51 650.07,2567.5 650.07,2546.48 656.69,2539.86 656.69,1004.09 v2(1318.39,342.38)
"XBX DO18/SPI CLK": J4.4 MD1.14 R27.2 | length 936.9
  Top Layer w10: J4.4@466.96,1693.98 528.71,1632.22 R27.2@1279.78,1632.22 1289.1,1641.55 MD1.14@1289.1,1726.87
XBX_AD0/DIO0/COMM: MD1.33
XBX_AD1/DIO1: MD1.32
XBX_AD2/DIO2: MD1.31
XBX_AD3/DIO3: MD1.30
XBX_ASSOC/DIO5: MD1.28
XBX_D\T\R\/SLP_RQ/DIO8: MD1.10 R24.2 | length 117.5
  Top Layer w10: R24.2@1018.03,2042.87 MD1.10@1135.56,2042.87
XBX_DIN/DIO14/C\O\N\F\I\G\: J3.2 MD1.4 R4.1 R28.2 R42.1 | length 3378.2
  Top Layer w10: J3.2@336.53,2548.64 384.37,2548.64 434.06,2598.33 756.22,2598.33 795.07,2559.48 958.92,2559.48 979.03,2539.36 979.03,2525.22 979.98,2524.27 994.12,2524.27 R28.2@994.12,2515.24 ; R4.1@948.8,2350.11 948.8,2352.08 1020.37,2423.65 1020.37,2515.31 MD1.4@1132.55,2515.31 ; v2(980.67,2443.96) 980.67,2510.82 R28.2@984.32,2514.47 ; R28.2@984.32,2510.54 989.02,2515.24 R28.2@994.12,2515.24 ; 1016.76,2515.31 1016.74,2515.24 R28.2@994.12,2515.24 ; R42.1@1351.27,842.13 1352.26,842.13 1396.13,886 v2(1396.13,919.39)
  Bottom Layer w10: v2(980.67,2443.96) 977.58,2443.96 967.31,2454.24 847.53,2454.24 716.92,2323.63 716.92,1513.2 1068.26,1161.87 1068.26,1017.77 1166.63,919.39 v2(1396.13,919.39)
XBX_DIO4: MD1.24
XBX_DIO6/R\T\S\: J3.4 MD1.29 R17.2 | length 2067.2
  Top Layer w10: J3.4@454.64,2430.53 529.18,2505.07 v2(529.81,2505.07) ; MD1.29@1992.9,2359.01 2146.77,2359.01 2146.77,2364.16 2093.91,2417.01 v2(2091.53,2417.01)
  Bottom Layer w10: v2(529.81,2505.07) 681.9,2657.17 966.55,2657.17 1032.85,2590.86 1077.71,2590.86 1147.62,2520.95 1420.78,2520.95 1525.73,2416 2090.52,2416 v2(2091.53,2417.01)
XBX_DIO12: MD1.5
XBX_ON/S\L\P\/DIO9: MD1.26
XBX_PWM1/DIO11: MD1.8
XBX_RSSI_PWM/DIO10: MD1.7
XBX_S\A\T\T\N\/B\M\/DIO19: MD1.12 R29.2 | length 118.3
  Top Layer w10: R29.2@1018.03,1883.65 1019.77,1885.39 MD1.12@1135.56,1885.39
XBX_S\S\E\L\/DIO17: J4.5 MD1.15 R25.2 | length 1405.8
  Top Layer w10: J4.5@458.03,1812.23 404.54,1758.74 404.54,1673.14 594.33,1483.34 1298.04,1483.34 1321.99,1507.3 1321.99,1589.26 1367.84,1635.11 MD1.15@1367.84,1726.87
XBX_SMISO/DIO15: J4.3 MD1.17 R18.2 | length 1882.6
  Top Layer w10: J4.3@348.85,1930.2 264.63,1845.98 264.63,1668.48 513.16,1419.95 1380.83,1419.95 1485.02,1524.14 1485.02,1590 1525.45,1630.43 1525.32,1630.56 MD1.17@1525.32,1726.87
XBX_SMOSI/DIO16: J4.2 MD1.16 R23.2 | length 1553.5
  Top Layer w10: J4.2@339.92,1812.23 387.2,1764.96 387.2,1613.13 547.23,1453.1 1336.31,1453.1 1408.76,1525.55 1408.76,1600.64 1446.58,1638.46 MD1.16@1446.58,1726.87
pads on no net: IC1.21 IC1.22 IC1.23 IC1.24 IC1.26 IC1.28 IC1.29 IC1.30 IC1.32 IC1.33 IC1.34 IC1.36 IC1.44 IC1.45 IC1.48 IC1.52 IC1.53 IC1.54 IC1.55 IC1.57 IC1.58 IC1.59 IC1.60 J1. J2. J2.A8 J2.B8 J3. J4. M1.1 M2.1 M3.1 MD1.9 MD1.18 MD1.19 MD1.20 MD1.21 MD1.23 MD1.27 MD1.34 MD1.37 U2.6 U2.7

## Polygon pours and split planes (outlines as drawn)
GND on Top Layer "GND_L01_P012" (solid, pour order 12): 67.62,3029.49 67.62,71.73 64.84,68.95 70.4,63.39 3000.37,63.39 3000.37,3029.49 3005.93,3035.05
GND on Top Layer "Top Layer-GND" (solid, pour order 10): 2923.45,2973.12 2932.01,2969.57 2939.36,2963.93 2945.01,2956.58 2948.55,2948.01 2949.76,2938.82 2949.76,2856.15 2948.55,2846.96 2945.01,2838.4 2939.36,2831.04 2932.01,2825.4 2923.45,2821.85 2914.26,2820.64 2831.58,2820.64 2822.39,2821.85 2813.83,2825.4 2806.48,2831.04 2800.83,2838.4 2797.29,2846.96 2796.08,2856.15 2796.08,2869.58 2595.81,2869.58 2589.45,2864.7 2580.88,2861.15 2571.69,2859.94 2536.26,2859.94 2527.07,2861.15 2518.51,2864.7 2512.46,2869.34 2468.78,2869.34 2467.86,2868.13 2460.5,2862.49 2451.94,2858.94 2442.75,2857.73 2418.15,2857.73 2408.96,2858.94 2400.39,2862.49 2393.04,2868.13 2387.4,2875.48 2383.85,2884.05 2382.64,2893.24 2382.64,2926.7 2383.85,2935.89 2387.4,2944.45 2393.04,2951.81 2400.39,2957.45 2408.96,2960.99 2418.15,2962.2 2442.75,2962.2 2451.94,2960.99 2460.5,2957.45 2467.86,2951.81 2468.78,2950.6 2511.83,2950.6 2518.51,2955.72 2527.07,2959.27 2536.26,2960.48 2571.69,2960.48 2580.88,2959.27 2589.45,2955.72 2595.81,2950.84 2798.46,2950.84 2800.83,2956.58 2806.48,2963.93 2813.83,2969.57 2822.39,2973.12 2831.58,2974.33 2914.26,2974.33
GND on Top Layer "Top Layer-GND 1" (solid, pour order 9): 1991.05,2967.9 1992.21,2967.98 1994.49,2967.53 1996.82,2967.37 2005.37,2965.67 2007.58,2964.92 2009.86,2964.47 2011.95,2963.44 2014.15,2962.69 2016.08,2961.4 2018.17,2960.37 2025.42,2955.52 2027.17,2953.99 2029.11,2952.7 2030.64,2950.95 2030.78,2950.82 2212.69,2950.82 2219.22,2955.83 2227.79,2959.38 2236.97,2960.59 2272.41,2960.59 2281.6,2959.38 2290.16,2955.83 2296.52,2950.95 2340.22,2950.95 2340.88,2951.81 2348.23,2957.45 2356.79,2960.99 2365.98,2962.2 2390.59,2962.2 2399.78,2960.99 2408.34,2957.45 2415.69,2951.81 2421.33,2944.45 2424.88,2935.89 2426.09,2926.7 2426.09,2893.24 2424.88,2884.05 2421.33,2875.48 2415.69,2868.13 2408.34,2862.49 2399.78,2858.94 2390.59,2857.73 2365.98,2857.73 2356.79,2858.94 2348.23,2862.49 2340.88,2868.13 2339.68,2869.69 2296.52,2869.69 2290.16,2864.81 2281.6,2861.27 2272.41,2860.06 2236.97,2860.06 2227.79,2861.27 2219.22,2864.81 2213.03,2869.57 2030.78,2869.57 2030.64,2869.44 2029.11,2867.69 2027.17,2866.4 2025.42,2864.86 2018.17,2860.02 2016.08,2858.99 2014.15,2857.7 2011.95,2856.95 2009.86,2855.92 2007.58,2855.46 2005.37,2854.72 1996.82,2853.01 1994.49,2852.86 1992.21,2852.41 1991.05,2852.48 1989.89,2852.33 1988.73,2852.48 1987.57,2852.41 1985.29,2852.86 1982.96,2853.01 1974.41,2854.72 1972.2,2855.46 1969.92,2855.92 1967.83,2856.95 1965.63,2857.7 1963.7,2858.99 1961.61,2860.02 1954.35,2864.86 1952.61,2866.4 1950.67,2867.69 1949.14,2869.44 1947.39,2870.98 1946.09,2872.91 1944.56,2874.66 1939.71,2881.91 1938.68,2884 1937.39,2885.94 1936.64,2888.14 1935.61,2890.23 1935.16,2892.51 1934.41,2894.71 1932.71,2903.27 1932.56,2905.59 1932.1,2907.87 1932.26,2910.19 1932.1,2912.52 1932.56,2914.8 1932.71,2917.12 1934.41,2925.68 1935.16,2927.88 1935.61,2930.16 1936.64,2932.25 1937.39,2934.45 1938.68,2936.39 1939.71,2938.48 1944.56,2945.73 1946.09,2947.48 1947.39,2949.41 1949.14,2950.95 1950.67,2952.7 1952.61,2953.99 1954.35,2955.52 1961.61,2960.37 1963.7,2961.4 1965.63,2962.69 1967.83,2963.44 1969.92,2964.47 1972.2,2964.92 1974.41,2965.67 1982.96,2967.37 1985.29,2967.53 1987.57,2967.98 1988.73,2967.9 1989.89,2968.06
GND on Layer 1 "GND_L02_P011" (solid, pour order 11): 66.95,2939.14 66.95,69.73 67.32,69.37 3004.13,69.37 3004.13,3003.06 2976.17,3031.03 68.44,3031.03
GND on Bottom Layer "GND_L04_P013" (solid, pour order 13): 67.62,3032.27 67.62,63.39 3000.37,63.39 3003.15,60.61 3003.15,3032.27
VCC_3v3 on Layer 2 "VCC_3V3_L03_P014" (solid, pour order 14): 62.3,3028.58 62.3,58.84 3004.5,58.84 3007.74,55.6 3017.46,65.32 3017.46,3039.92 73.64,3039.92 63.92,3030.2

## Silkscreen, mask and mechanical layers (free items; w line width, h text height)
Top Overlay:
  region: 1289 vertices and 6 holes, not listed, extent 2296.3,1652.5 2846.19,2202.39
  text "TIMBIT-01" at 2846.34,1158.92 h60 r90
  text "GS-003 REV 1.0" at 2984.61,1158.92 h60 r90
Bottom Overlay:
  text "Contributors:" at 2990.16,2181.45 h80
  text "Georgii Lavreniuk" at 2995.16,2056.28 h60
  text "Abie Grunfeld" at 2995.16,1946.2 h60
  text "Jose Zambrano Lopez" at 2995.16,1849.53 h60
Mechanical 1:
  the board outline again, w10
Top Courtyard:
  region: 2694.95,1953.99 2696.95,1953.99 2696.95,1952.99 2697.95,1952.99 2697.95,1951.98 2699.96,1951.98 2699.96,1949.98 2700.96,1949.98 2700.96,1948.98 2701.96,1948.98 2701.96,1946.98 2702.96,1946.98 2702.96,1921.93 2701.96,1921.93 2701.96,1919.93 2700.96,1919.93 2700.96,1918.93 2699.96,1918.93 2699.96,1916.93 2698.95,1916.93 2698.95,1915.93 2696.95,1915.93 2696.95,1914.92 2694.95,1914.92 2694.95,1913.92 2583.77,1913.92 2583.77,1954.99 2694.95,1954.99 hole: 2692.94,1949.98 2589.78,1949.98 2589.78,1948.98 2588.77,1948.98 2588.77,1934.96 2588.77,1933.95 2588.77,1918.93 2692.94,1918.93 2692.94,1919.93 2694.95,1919.93 2694.95,1920.93 2695.95,1920.93 2695.95,1921.93 2696.95,1921.93 2696.95,1923.94 2697.95,1923.94 2697.95,1944.97 2696.95,1944.97 2696.95,1946.98 2695.95,1946.98 2695.95,1947.98 2694.95,1947.98 2694.95,1948.98 2692.94,1948.98